# Altium PCB radioboard.PcbDoc (part 4 of 9)
Units mm, origin at the board's own origin, x right, y up, seen from the top; angles counter-clockwise.
Board outline 69.97 x 64.48 mm, 4 copper layers (Top Layer, Signal Layer 1, Signal Layer 2, Bottom Layer), stack 1.56 mm thick; 258 components, 165 nets, 993 pads, 10021 vias.
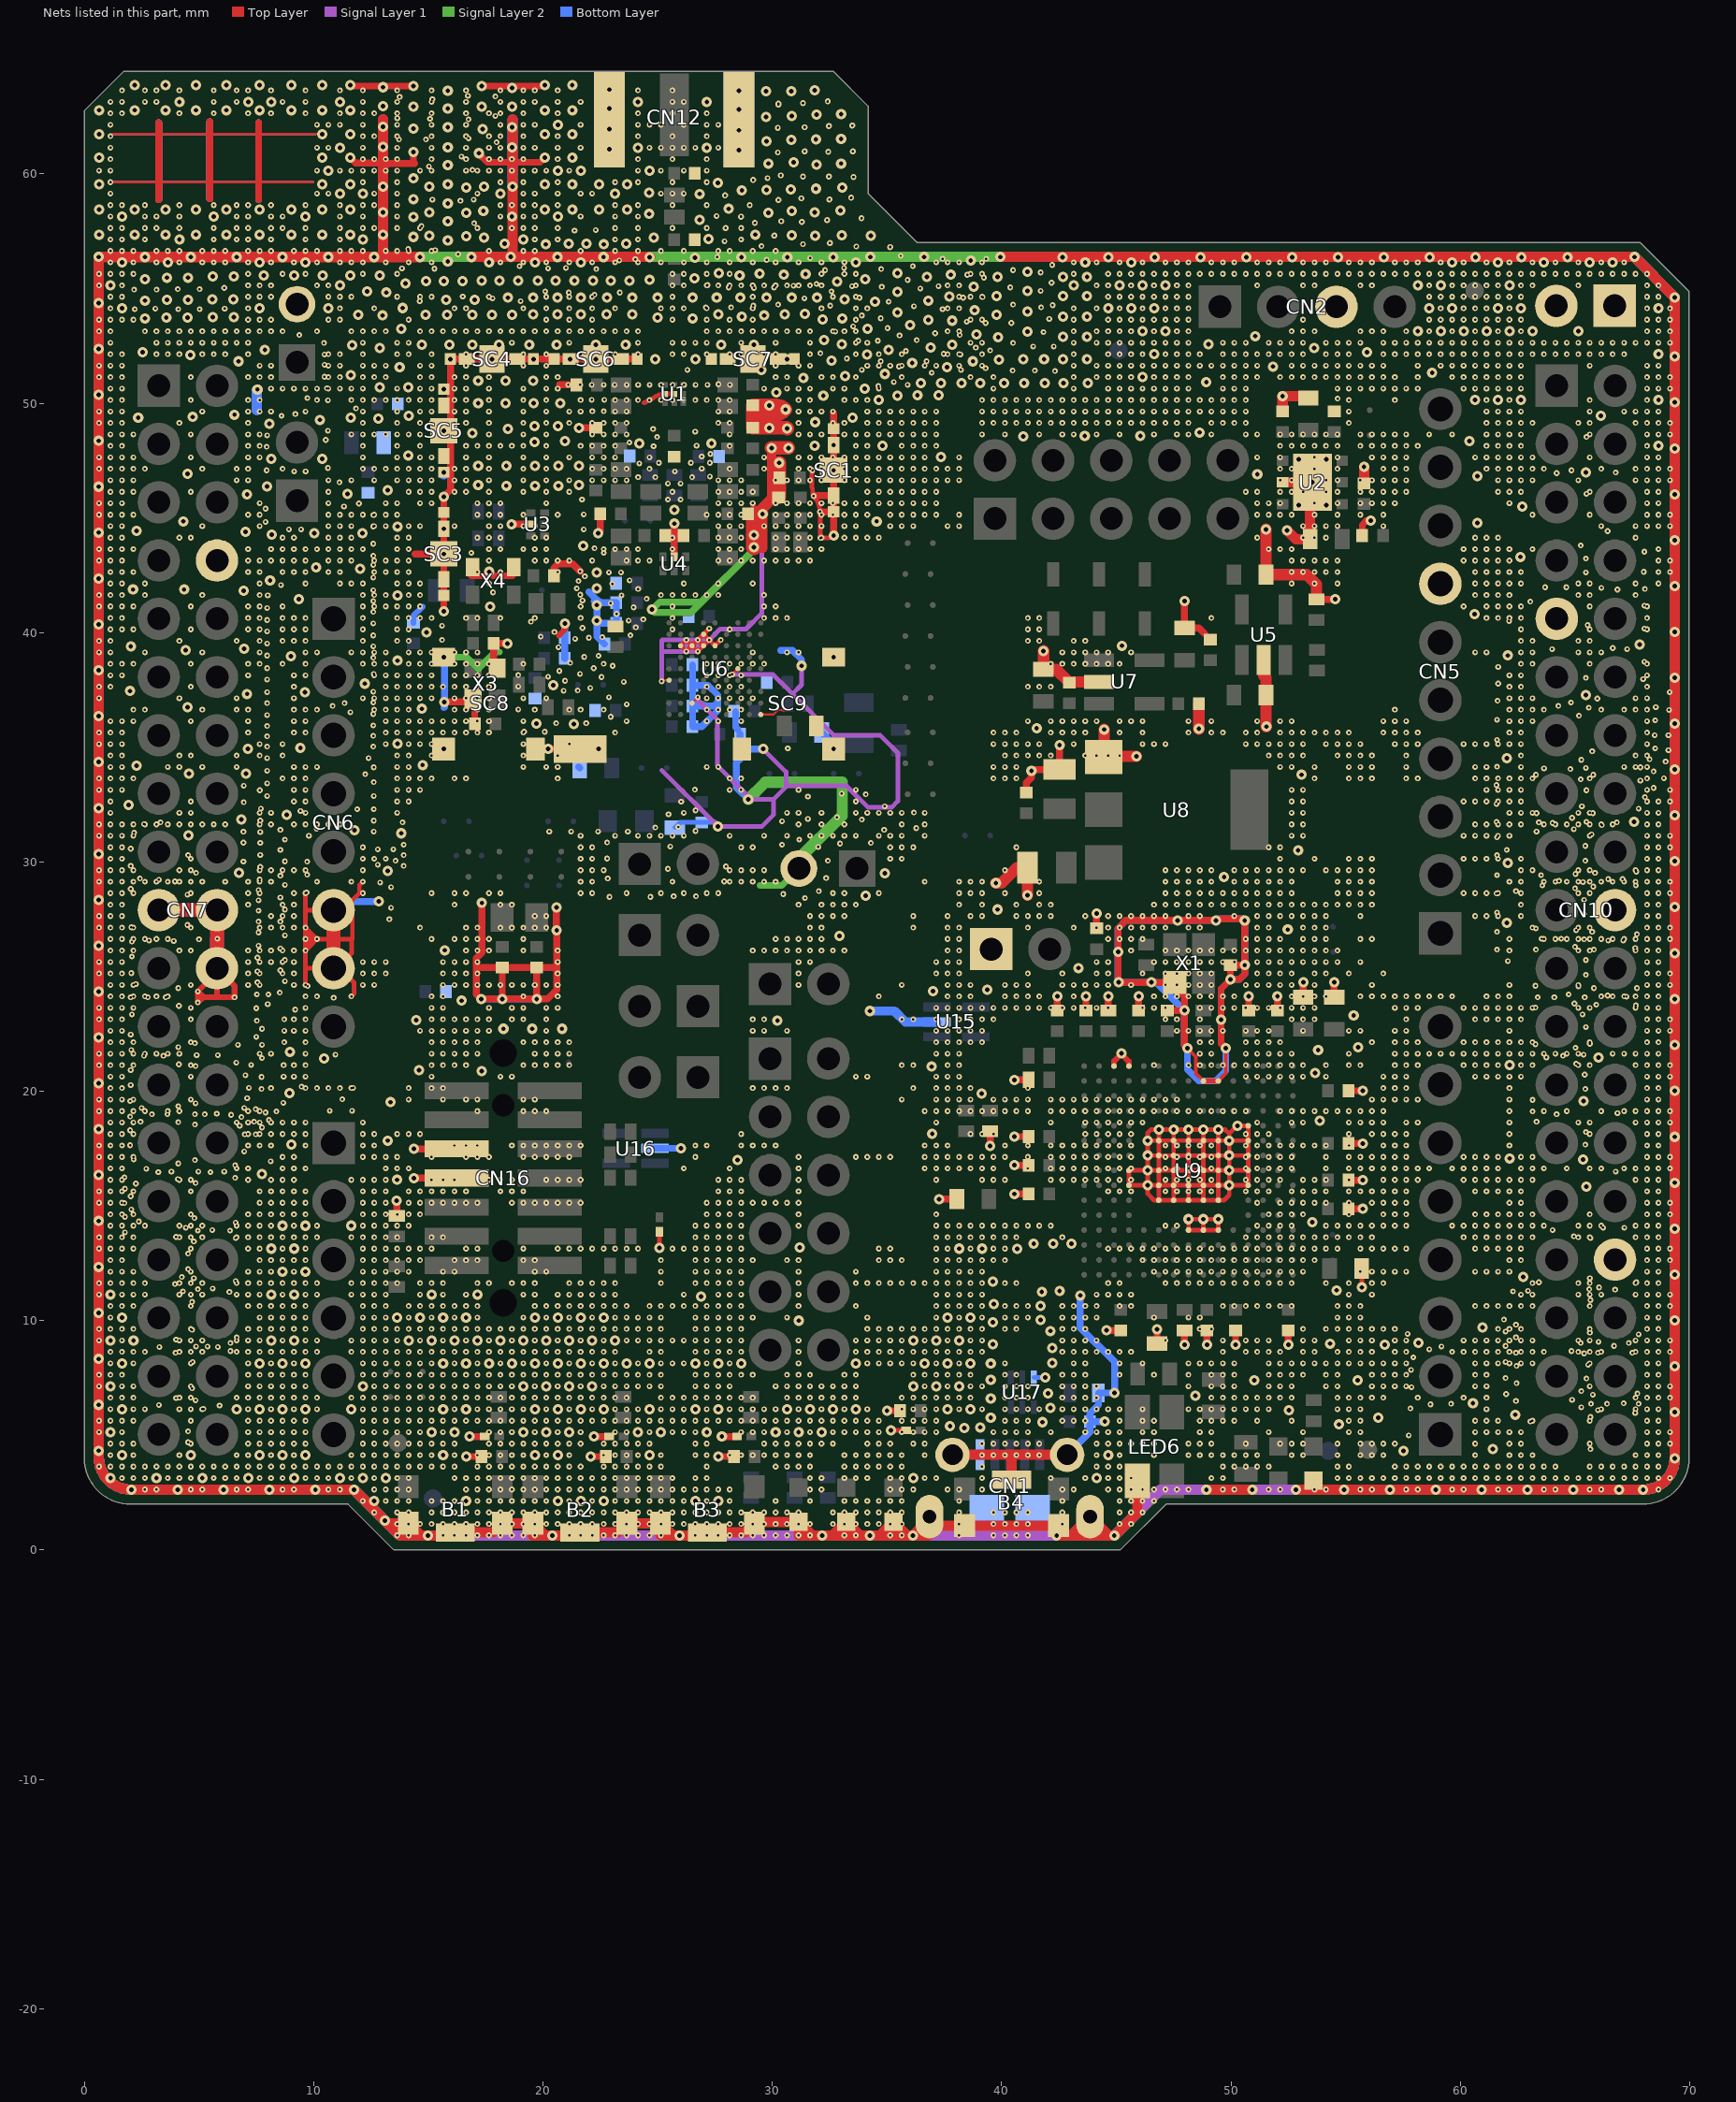
[diagram p6: the nets of this part, all layers, seen from the top]

## Via types
v1: diameter 0.25, hole 0.1, Signal Layer 2 to Bottom Layer, tented bottom, 4578 vias
v2: diameter 0.25, hole 0.1, Top Layer to Signal Layer 1, tented top, 4140 vias
v3: diameter 0.45, hole 0.2, Top Layer to Bottom Layer, tented both sides, 1295 vias
v4: diameter 0.25, hole 0.1, Top Layer to Signal Layer 1, tented both sides, 8 vias

## Nets (pads, with @x,y where several pads share a name; then routed paths per layer and width w, separated by ;. In a path a pad name is that pad's centre, name@x,y a point inside that pad or via, vN(x,y) a via of type N, cw(c..) or ccw(c..) an arc to the next point about the centre after c; other vN are vias at no path point) (continued)
GND: (continued)
  other v1: 13.643,0.638 14.143,0.638 15.643,0.638 16.143,0.638 16.643,0.638 17.143,0.638 17.643,0.638 18.143,0.638 18.643,0.638 19.143,0.638 19.643,0.638 21.143,0.638 21.643,0.638 22.143,0.638 22.643,0.638 23.143,0.638 23.643,0.638 24.143,0.638 24.643,0.638 25.143,0.638 26.643,0.638 27.143,0.638 27.643,0.638 28.143,0.638 28.643,0.638 29.143,0.638 29.643,0.638 30.143,0.638 30.643,0.638 31.143,0.638 31.643,0.638 33.143,0.638 33.643,0.638 35.143,0.638 35.643,0.638 38.143,0.638 13.643,1.138 14.143,1.138 14.643,1.138 15.143,1.138 15.643,1.138 16.143,1.138 16.643,1.138 17.143,1.138 17.643,1.138 18.143,1.138 18.643,1.138 19.143,1.138 19.643,1.138 20.143,1.138 20.643,1.138 21.143,1.138 21.643,1.138 22.143,1.138 22.643,1.138 23.143,1.138 23.643,1.138 24.143,1.138 24.643,1.138 25.143,1.138 25.643,1.138 26.143,1.138 26.643,1.138 27.143,1.138 27.643,1.138 28.143,1.138 28.643,1.138 29.143,1.138 29.643,1.138 30.143,1.138 30.643,1.138 31.143,1.138 31.643,1.138 32.643,1.138 33.143,1.138 33.643,1.138 34.143,1.138 34.643,1.138 35.143,1.138 35.643,1.138 38.143,1.138 42.643,1.138 45.143,1.138 45.643,1.138 12.643,1.638 13.643,1.638 14.143,1.638 16.143,1.638 16.643,1.638 17.143,1.638 17.643,1.638 18.143,1.638 18.643,1.638 19.143,1.638 19.643,1.638 20.143,1.638 20.643,1.638 21.143,1.638 21.643,1.638 22.143,1.638 22.643,1.638 23.143,1.638 23.643,1.638 24.143,1.638 24.643,1.638 25.143,1.638 25.643,1.638 26.143,1.638 26.643,1.638 27.143,1.638 27.643,1.638 28.143,1.638 28.643,1.638 29.143,1.638 29.643,1.638 30.143,1.638 30.643,1.638 31.143,1.638 32.643,1.638 33.143,1.638 33.643,1.638 34.143,1.638 34.643,1.638 35.143,1.638 35.643,1.638 38.143,1.638 42.643,1.638 45.143,1.638 45.643,1.638 46.143,1.638 12.143,2.138 13.143,2.138 13.643,2.138 14.143,2.138 17.143,2.138 17.643,2.138 18.143,2.138 18.643,2.138 19.143,2.138 19.643,2.138 20.143,2.138 21.143,2.138 22.143,2.138 23.143,2.138 23.643,2.138 24.143,2.138 24.643,2.138 25.143,2.138 25.643,2.138 26.143,2.138 27.143,2.138 28.143,2.138 30.143,2.138 31.643,2.138 33.143,2.138 33.643,2.138 34.143,2.138 34.643,2.138 35.143,2.138 35.643,2.138 38.143,2.138 42.643,2.138 45.143,2.138 45.643,2.138 46.143,2.138 46.643,2.138 2.643,2.638 3.143,2.638 4.643,2.638 5.143,2.638 6.643,2.638 7.143,2.638 8.643,2.638 9.143,2.638 10.643,2.638 11.143,2.638 12.643,2.638 13.143,2.638 13.643,2.638 14.143,2.638 16.643,2.638 17.143,2.638 17.643,2.638 18.143,2.638 18.643,2.638 19.143,2.638 19.643,2.638 20.143,2.638 20.643,2.638 21.143,2.638 21.643,2.638 22.143,2.638 22.643,2.638 23.143,2.638 23.643,2.638 24.143,2.638 24.643,2.638 25.143,2.638 25.643,2.638 26.143,2.638 26.643,2.638 27.143,2.638 27.643,2.638 28.143,2.638 31.643,2.638 35.143,2.638 35.643,2.638 36.143,2.638 37.643,2.638 38.143,2.638 42.643,2.638 43.143,2.638 44.643,2.638 45.143,2.638 45.643,2.638 46.143,2.638 46.643,2.638 47.143,2.638 47.643,2.638 48.143,2.638 49.643,2.638 50.143,2.638 51.643,2.638 52.143,2.638 53.643,2.638 54.143,2.638 55.643,2.638 56.143,2.638 57.643,2.638 58.143,2.638 59.643,2.638 60.143,2.638 61.643,2.638 62.143,2.638 63.643,2.638 64.143,2.638 65.643,2.638 66.143,2.638 68.643,2.638 1.643,3.138 2.143,3.138 2.643,3.138 3.643,3.138 4.143,3.138 4.643,3.138 5.643,3.138 6.143,3.138 6.643,3.138 7.643,3.138 8.143,3.138 8.643,3.138 9.643,3.138 10.143,3.138 10.643,3.138 11.643,3.138 12.643,3.138 13.643,3.138 14.143,3.138 16.143,3.138 16.643,3.138 17.143,3.138 17.643,3.138 18.143,3.138 18.643,3.138 19.143,3.138 19.643,3.138 20.143,3.138 20.643,3.138 21.143,3.138 21.643,3.138 22.143,3.138 22.643,3.138 23.143,3.138 23.643,3.138 24.143,3.138 24.643,3.138 25.143,3.138 25.643,3.138 26.643,3.138 27.143,3.138 31.643,3.138 33.143,3.138 33.643,3.138 34.143,3.138 35.143,3.138 35.643,3.138 36.643,3.138 37.143,3.138 39.143,3.138 42.143,3.138 43.643,3.138 44.643,3.138 45.143,3.138 45.643,3.138 49.143,3.138 68.143,3.138 68.643,3.138 69.143,3.138 0.643,3.638 1.143,3.638 1.643,3.638 2.143,3.638 2.643,3.638 3.143,3.638 3.643,3.638 4.143,3.638 4.643,3.638 5.143,3.638 5.643,3.638 6.143,3.638 6.643,3.638 7.143,3.638 7.643,3.638 8.143,3.638 8.643,3.638 9.143,3.638 9.643,3.638 10.143,3.638 10.643,3.638 11.143,3.638 11.643,3.638 12.143,3.638 12.643,3.638 13.143,3.638 13.643,3.638 14.143,3.638 14.643,3.638 15.143,3.638 15.643,3.638 16.143,3.638 17.143,3.638 17.643,3.638 18.143,3.638 18.643,3.638 19.143,3.638 19.643,3.638 20.143,3.638 20.643,3.638 21.143,3.638 21.643,3.638 22.643,3.638 23.143,3.638 23.643,3.638 24.143,3.638 24.643,3.638 25.143,3.638 31.643,3.638 33.143,3.638 33.643,3.638 34.143,3.638 34.643,3.638 35.143,3.638 35.643,3.638 44.143,3.638 44.643,3.638 45.143,3.638 50.143,3.638 50.643,3.638 51.143,3.638 51.643,3.638 68.643,3.638 1.143,4.138 2.143,4.138 4.143,4.138 6.643,4.138 7.143,4.138 8.143,4.138 9.143,4.138 11.643,4.138 12.143,4.138 12.643,4.138 13.143,4.138 13.643,4.138 14.143,4.138 14.643,4.138 15.143,4.138 16.143,4.138 17.143,4.138 17.643,4.138 18.143,4.138 18.643,4.138 19.143,4.138 20.143,4.138 21.143,4.138 22.643,4.138 23.143,4.138 23.643,4.138 24.143,4.138 25.143,4.138 28.143,4.138 28.643,4.138 29.143,4.138 29.643,4.138 30.143,4.138 30.643,4.138 31.143,4.138 31.643,4.138 33.143,4.138 33.643,4.138 34.143,4.138 34.643,4.138 35.143,4.138 36.643,4.138 44.143,4.138 45.143,4.138 46.643,4.138 49.643,4.138 50.143,4.138 50.643,4.138 51.143,4.138 52.643,4.138 53.143,4.138 55.643,4.138 56.143,4.138 56.643,4.138 60.643,4.138 62.143,4.138 62.643,4.138 63.143,4.138 67.643,4.138 1.143,4.638 1.643,4.638 2.143,4.638 4.643,4.638 7.143,4.638 7.643,4.638 8.143,4.638 8.643,4.638 9.143,4.638 9.643,4.638 12.143,4.638 12.643,4.638 13.143,4.638 13.643,4.638 14.143,4.638 14.643,4.638 15.143,4.638 15.643,4.638 16.143,4.638 17.643,4.638 18.143,4.638 18.643,4.638 19.143,4.638 19.643,4.638 20.143,4.638 20.643,4.638 21.143,4.638 21.643,4.638 22.643,4.638 23.143,4.638 23.643,4.638 24.143,4.638 24.643,4.638 36.143,4.638 36.643,4.638 44.143,4.638 44.643,4.638 45.143,4.638 46.143,4.638 46.643,4.638 50.643,4.638 52.143,4.638 52.643,4.638 53.143,4.638 55.643,4.638 56.143,4.638 56.643,4.638 57.143,4.638 60.643,4.638 62.143,4.638 62.643,4.638 65.643,4.638 68.143,4.638 0.643,5.138 1.643,5.138 12.143,5.138 12.643,5.138 13.143,5.138 13.643,5.138 14.143,5.138 14.643,5.138 15.643,5.138 17.643,5.138 18.143,5.138 18.643,5.138 19.643,5.138 20.643,5.138 21.643,5.138 23.143,5.138 23.643,5.138 24.643,5.138 25.643,5.138 26.143,5.138 26.643,5.138 28.643,5.138 29.143,5.138 29.643,5.138 30.643,5.138 31.643,5.138 32.643,5.138 33.143,5.138 33.643,5.138 34.143,5.138 34.643,5.138 35.643,5.138 36.143,5.138 36.643,5.138 37.143,5.138 44.643,5.138 45.143,5.138 46.143,5.138 46.643,5.138 49.143,5.138 51.643,5.138 53.143,5.138 55.143,5.138 55.643,5.138 68.143,5.138 0.643,5.638 1.143,5.638 1.643,5.638 2.143,5.638 4.643,5.638 7.143,5.638 7.643,5.638 8.143,5.638 8.643,5.638 9.143,5.638 9.643,5.638 12.143,5.638 12.643,5.638 13.143,5.638 13.643,5.638 14.143,5.638 14.643,5.638 15.143,5.638 15.643,5.638 16.143,5.638 16.643,5.638 17.143,5.638 17.643,5.638 18.143,5.638 18.643,5.638 19.143,5.638 19.643,5.638 20.143,5.638 20.643,5.638 21.143,5.638 21.643,5.638 22.143,5.638 22.643,5.638 23.143,5.638 23.643,5.638 24.143,5.638 24.643,5.638 25.143,5.638 25.643,5.638 26.143,5.638 26.643,5.638 27.143,5.638 27.643,5.638 28.143,5.638 28.643,5.638 29.143,5.638 29.643,5.638 30.143,5.638 30.643,5.638 31.143,5.638 31.643,5.638 32.143,5.638 32.643,5.638 33.143,5.638 33.643,5.638 34.143,5.638 34.643,5.638 35.643,5.638 36.143,5.638 36.643,5.638 37.143,5.638 45.143,5.638 46.143,5.638 46.643,5.638 48.643,5.638 49.143,5.638 49.643,5.638 50.143,5.638 51.143,5.638 60.643,5.638 61.143,5.638 61.643,5.638 63.143,5.638 65.643,5.638 68.143,5.638 1.143,6.138 2.143,6.138 2.643,6.138 4.143,6.138 4.643,6.138 5.143,6.138 7.143,6.138 8.143,6.138 9.143,6.138 10.143,6.138 12.143,6.138 12.643,6.138 13.143,6.138 13.643,6.138 14.143,6.138 14.643,6.138 15.143,6.138 16.143,6.138 17.143,6.138 17.643,6.138 18.143,6.138 18.643,6.138 19.143,6.138 20.143,6.138 21.143,6.138 22.143,6.138 23.143,6.138 23.643,6.138 24.143,6.138 25.143,6.138 25.643,6.138 26.143,6.138 27.143,6.138 28.143,6.138 28.643,6.138 29.143,6.138 29.643,6.138 30.143,6.138 31.143,6.138 32.143,6.138 33.143,6.138 34.143,6.138 35.643,6.138 36.143,6.138 36.643,6.138 37.143,6.138 38.143,6.138 39.143,6.138 45.143,6.138 46.143,6.138 48.143,6.138 48.643,6.138 49.143,6.138 49.643,6.138 50.143,6.138 50.643,6.138 51.143,6.138 51.643,6.138 61.143,6.138 66.143,6.138 67.643,6.138 68.143,6.138 1.143,6.638 1.643,6.638 2.143,6.638 4.143,6.638 4.643,6.638 6.643,6.638 7.143,6.638 7.643,6.638 8.143,6.638 8.643,6.638 9.143,6.638 9.643,6.638 10.143,6.638 11.643,6.638 12.143,6.638 12.643,6.638 13.143,6.638 13.643,6.638 14.143,6.638 14.643,6.638 15.143,6.638 15.643,6.638 16.143,6.638 16.643,6.638 17.143,6.638 17.643,6.638 18.143,6.638 18.643,6.638 19.143,6.638 19.643,6.638 20.143,6.638 20.643,6.638 21.143,6.638 21.643,6.638 22.143,6.638 22.643,6.638 23.143,6.638 23.643,6.638 25.143,6.638 25.643,6.638 26.143,6.638 26.643,6.638 27.143,6.638 27.643,6.638 28.143,6.638 28.643,6.638 29.143,6.638 35.643,6.638 36.143,6.638 36.643,6.638 37.143,6.638 37.643,6.638 38.143,6.638 38.643,6.638 67.643,6.638 68.143,6.638 0.643,7.138 1.643,7.138 2.143,7.138 4.643,7.138 7.143,7.138 7.643,7.138 8.143,7.138 8.643,7.138 9.143,7.138 9.643,7.138 12.643,7.138 13.143,7.138 13.643,7.138 14.143,7.138 14.643,7.138 15.143,7.138 15.643,7.138 16.143,7.138 16.643,7.138 17.143,7.138 17.643,7.138 18.143,7.138 18.643,7.138 19.643,7.138 20.643,7.138 21.643,7.138 22.643,7.138 23.143,7.138 23.643,7.138 24.143,7.138 36.643,7.138 37.643,7.138 38.643,7.138 39.143,7.138 48.143,7.138 49.143,7.138 49.643,7.138 50.143,7.138 51.643,7.138 52.143,7.138 52.643,7.138 54.143,7.138 54.643,7.138 56.143,7.138 56.643,7.138 57.143,7.138 57.643,7.138 65.643,7.138 68.143,7.138 0.643,7.638 1.143,7.638 1.643,7.638 12.143,7.638 12.643,7.638 13.143,7.638 13.643,7.638 14.143,7.638 14.643,7.638 15.143,7.638 15.643,7.638 16.143,7.638 16.643,7.638 17.143,7.638 17.643,7.638 18.143,7.638 18.643,7.638 19.143,7.638 19.643,7.638 20.143,7.638 20.643,7.638 21.143,7.638 21.643,7.638 22.143,7.638 22.643,7.638 23.143,7.638 23.643,7.638 24.143,7.638 24.643,7.638 36.143,7.638 36.643,7.638 37.143,7.638 37.643,7.638 38.143,7.638 38.643,7.638 42.643,7.638 46.643,7.638 48.143,7.638 49.143,7.638 49.643,7.638 50.143,7.638 51.643,7.638 52.143,7.638 54.143,7.638 54.643,7.638 56.143,7.638 56.643,7.638 57.143,7.638 57.643,7.638 68.143,7.638 1.143,8.138 2.143,8.138 4.643,8.138 7.143,8.138 8.143,8.138 9.143,8.138 12.143,8.138 12.643,8.138 13.143,8.138 13.643,8.138 14.143,8.138 14.643,8.138 15.143,8.138 16.143,8.138 17.143,8.138 18.143,8.138 19.143,8.138 20.143,8.138 21.143,8.138 22.143,8.138 23.143,8.138 24.143,8.138 25.143,8.138 25.643,8.138 26.143,8.138 27.143,8.138 28.143,8.138 34.143,8.138 34.643,8.138 35.143,8.138 35.643,8.138 36.143,8.138 37.143,8.138 38.143,8.138 43.143,8.138 45.143,8.138 46.143,8.138 53.643,8.138 54.143,8.138 54.643,8.138 55.143,8.138 55.643,8.138 56.143,8.138 56.643,8.138 57.143,8.138 57.643,8.138 60.643,8.138 61.143,8.138 61.643,8.138 62.143,8.138 62.643,8.138 63.143,8.138 65.643,8.138 68.143,8.138 1.143,8.638 1.643,8.638 2.143,8.638 2.643,8.638 4.143,8.638 4.643,8.638 5.143,8.638 6.643,8.638 7.143,8.638 7.643,8.638 8.143,8.638 8.643,8.638 9.143,8.638 9.643,8.638 10.143,8.638 11.643,8.638 12.143,8.638 12.643,8.638 13.143,8.638 13.643,8.638 14.143,8.638 14.643,8.638 15.143,8.638 15.643,8.638 16.143,8.638 16.643,8.638 17.143,8.638 17.643,8.638 18.143,8.638 18.643,8.638 19.143,8.638 19.643,8.638 20.143,8.638 20.643,8.638 21.143,8.638 21.643,8.638 22.143,8.638 22.643,8.638 23.143,8.638 33.643,8.638 34.143,8.638 34.643,8.638 35.143,8.638 35.643,8.638 36.143,8.638 36.643,8.638 37.143,8.638 37.643,8.638 38.143,8.638 38.643,8.638 39.143,8.638 42.643,8.638 43.143,8.638 43.643,8.638 44.143,8.638 49.643,8.638 50.643,8.638 51.143,8.638 51.643,8.638 52.143,8.638 53.143,8.638 53.643,8.638 54.643,8.638 55.143,8.638 55.643,8.638 56.143,8.638 57.143,8.638 57.643,8.638 59.643,8.638 60.143,8.638 60.643,8.638 61.143,8.638 61.643,8.638 62.143,8.638 62.643,8.638 63.143,8.638 63.643,8.638 65.143,8.638 65.643,8.638 66.143,8.638 67.643,8.638 68.143,8.638 0.643,9.138 1.643,9.138 4.143,9.138 4.643,9.138 5.143,9.138 6.643,9.138 7.143,9.138 7.643,9.138 8.643,9.138 9.643,9.138 10.143,9.138 11.643,9.138 12.143,9.138 12.643,9.138 13.143,9.138 13.643,9.138 14.643,9.138 15.643,9.138 16.643,9.138 17.643,9.138 18.643,9.138 19.643,9.138 20.643,9.138 21.643,9.138 22.643,9.138 23.643,9.138 24.143,9.138 24.643,9.138 25.143,9.138 25.643,9.138 26.143,9.138 26.643,9.138 27.143,9.138 27.643,9.138 28.143,9.138 28.643,9.138 33.643,9.138 34.143,9.138 34.643,9.138 35.143,9.138 35.643,9.138 36.643,9.138 37.643,9.138 38.643,9.138 39.143,9.138 42.643,9.138 43.143,9.138 43.643,9.138 47.143,9.138 49.643,9.138 50.643,9.138 51.143,9.138 51.643,9.138 53.143,9.138 53.643,9.138 55.143,9.138 55.643,9.138 56.143,9.138 57.143,9.138 57.643,9.138 60.143,9.138 60.643,9.138 61.143,9.138 61.643,9.138 62.143,9.138 62.643,9.138 63.143,9.138 65.143,9.138 65.643,9.138 67.643,9.138 68.143,9.138 0.643,9.638 1.143,9.638 1.643,9.638 2.143,9.638 4.643,9.638 7.143,9.638 7.643,9.638 8.143,9.638 8.643,9.638 9.143,9.638 9.643,9.638 12.143,9.638 12.643,9.638 13.143,9.638 13.643,9.638 14.143,9.638 14.643,9.638 15.143,9.638 15.643,9.638 16.143,9.638 16.643,9.638 17.143,9.638 17.643,9.638 18.143,9.638 18.643,9.638 19.143,9.638 19.643,9.638 20.143,9.638 20.643,9.638 21.143,9.638 21.643,9.638 22.143,9.638 22.643,9.638 23.143,9.638 23.643,9.638 24.143,9.638 24.643,9.638 34.143,9.638 34.643,9.638 35.143,9.638 35.643,9.638 36.143,9.638 36.643,9.638 37.143,9.638 37.643,9.638 38.143,9.638 38.643,9.638 39.143,9.638 40.143,9.638 40.643,9.638 42.643,9.638 43.143,9.638 48.643,9.638 49.143,9.638 53.143,9.638 54.143,9.638 54.643,9.638 55.143,9.638 55.643,9.638 56.143,9.638 56.643,9.638 57.143,9.638 61.643,9.638 62.143,9.638 62.643,9.638 65.643,9.638 68.143,9.638 1.143,10.138 12.143,10.138 12.643,10.138 13.143,10.138 14.143,10.138 15.143,10.138 16.143,10.138 17.143,10.138 19.143,10.138 20.143,10.138 21.143,10.138 22.143,10.138 23.143,10.138 23.643,10.138 24.143,10.138 34.143,10.138 37.143,10.138 38.143,10.138 39.143,10.138 40.143,10.138 40.643,10.138 41.143,10.138 42.643,10.138 43.143,10.138 46.643,10.138 48.143,10.138 48.643,10.138 68.143,10.138 1.143,10.638 1.643,10.638 2.143,10.638 4.643,10.638 7.143,10.638 7.643,10.638 8.143,10.638 8.643,10.638 9.143,10.638 9.643,10.638 12.143,10.638 12.643,10.638 13.143,10.638 14.143,10.638 14.643,10.638 15.143,10.638 15.643,10.638 16.143,10.638 16.643,10.638 17.143,10.638 19.643,10.638 20.143,10.638 20.643,10.638 21.143,10.638 21.643,10.638 22.143,10.638 22.643,10.638 23.143,10.638 23.643,10.638 25.143,10.638 25.643,10.638 26.143,10.638 26.643,10.638 27.143,10.638 27.643,10.638 28.143,10.638 28.643,10.638 33.643,10.638 37.143,10.638 37.643,10.638 38.143,10.638 38.643,10.638 39.143,10.638 40.143,10.638 40.643,10.638 41.143,10.638 42.643,10.638 43.143,10.638 45.143,10.638 45.643,10.638 49.643,10.638 50.143,10.638 50.643,10.638 51.143,10.638 51.643,10.638 52.143,10.638 52.643,10.638 60.643,10.638 61.143,10.638 61.643,10.638 62.143,10.638 62.643,10.638 63.143,10.638 65.643,10.638 68.143,10.638 0.643,11.138 1.643,11.138 2.143,11.138 2.643,11.138 4.143,11.138 4.643,11.138 5.143,11.138 6.643,11.138 7.143,11.138 7.643,11.138 8.643,11.138 9.643,11.138 10.143,11.138 11.643,11.138 12.143,11.138 12.643,11.138 13.143,11.138 14.643,11.138 15.643,11.138 16.643,11.138 19.143,11.138 26.143,11.138 27.643,11.138 44.643,11.138 45.143,11.138 45.643,11.138 62.643,11.138 63.143,11.138 65.143,11.138 65.643,11.138 66.143,11.138 67.643,11.138 68.143,11.138 0.643,11.638 1.143,11.638 1.643,11.638 2.143,11.638 2.643,11.638 4.143,11.638 4.643,11.638 5.143,11.638 6.643,11.638 7.143,11.638 7.643,11.638 8.143,11.638 8.643,11.638 9.143,11.638 9.643,11.638 10.143,11.638 11.643,11.638 12.143,11.638 12.643,11.638 13.143,11.638 13.643,11.638 15.143,11.638 15.643,11.638 25.143,11.638 28.643,11.638 33.643,11.638 34.143,11.638 34.643,11.638 35.143,11.638 35.643,11.638 36.143,11.638 36.643,11.638 37.143,11.638 37.643,11.638 38.143,11.638 38.643,11.638 39.143,11.638 40.143,11.638 40.643,11.638 44.643,11.638 45.143,11.638 47.143,11.638 47.643,11.638 48.143,11.638 48.643,11.638 49.143,11.638 49.643,11.638 50.143,11.638 50.643,11.638 51.143,11.638 51.643,11.638 52.143,11.638 52.643,11.638 54.143,11.638 55.143,11.638 56.143,11.638 56.643,11.638 63.143,11.638 65.143,11.638 65.643,11.638 67.643,11.638 68.143,11.638 1.143,12.138 1.643,12.138 2.143,12.138 4.643,12.138 7.143,12.138 7.643,12.138 8.143,12.138 9.143,12.138 12.143,12.138 12.643,12.138 13.143,12.138 13.643,12.138 14.143,12.138 15.643,12.138 16.143,12.138 19.643,12.138 20.143,12.138 33.643,12.138 46.643,12.138 47.143,12.138 47.643,12.138 48.143,12.138 48.643,12.138 49.143,12.138 49.643,12.138 50.143,12.138 50.643,12.138 51.143,12.138 51.643,12.138 52.143,12.138 52.643,12.138 53.143,12.138 55.643,12.138 56.143,12.138 56.643,12.138 57.143,12.138 57.643,12.138 60.643,12.138 61.143,12.138 61.643,12.138 62.143,12.138 68.143,12.138 1.143,12.638 1.643,12.638 12.143,12.638 12.643,12.638 13.143,12.638 13.643,12.638 14.143,12.638 14.643,12.638 16.143,12.638 16.643,12.638 17.143,12.638 19.143,12.638 19.643,12.638 34.643,12.638 35.143,12.638 35.643,12.638 46.143,12.638 46.643,12.638 47.143,12.638 47.643,12.638 48.143,12.638 48.643,12.638 49.143,12.638 49.643,12.638 50.143,12.638 50.643,12.638 51.143,12.638 51.643,12.638 52.143,12.638 52.643,12.638 53.143,12.638 53.643,12.638 68.143,12.638 0.643,13.138 1.143,13.138 1.643,13.138 2.143,13.138 4.643,13.138 7.143,13.138 7.643,13.138 8.643,13.138 9.643,13.138 12.143,13.138 12.643,13.138 13.143,13.138 13.643,13.138 14.143,13.138 14.643,13.138 15.143,13.138 16.643,13.138 17.143,13.138 19.143,13.138 20.643,13.138 21.143,13.138 21.643,13.138 22.143,13.138 22.643,13.138 23.143,13.138 23.643,13.138 24.143,13.138 25.643,13.138 26.143,13.138 26.643,13.138 27.143,13.138 27.643,13.138 28.143,13.138 28.643,13.138 34.643,13.138 35.143,13.138 37.143,13.138 37.643,13.138 38.643,13.138 39.643,13.138 40.143,13.138 44.643,13.138 45.143,13.138 45.643,13.138 46.143,13.138 46.643,13.138 47.143,13.138 47.643,13.138 48.143,13.138 48.643,13.138 49.143,13.138 49.643,13.138 50.143,13.138 50.643,13.138 51.143,13.138 51.643,13.138 52.143,13.138 52.643,13.138 53.143,13.138 53.643,13.138 55.643,13.138 56.143,13.138 56.643,13.138 57.143,13.138 57.643,13.138 60.643,13.138 61.143,13.138 61.643,13.138 62.143,13.138 62.643,13.138 68.143,13.138 0.643,13.638 1.143,13.638 1.643,13.638 2.143,13.638 4.143,13.638 4.643,13.638 5.143,13.638 6.643,13.638 7.143,13.638 7.643,13.638 8.143,13.638 8.643,13.638 9.143,13.638 9.643,13.638 10.143,13.638 11.643,13.638 12.143,13.638 12.643,13.638 13.143,13.638 13.643,13.638 15.143,13.638 15.643,13.638 50.643,13.638 51.143,13.638 51.643,13.638 52.143,13.638 52.643,13.638 53.143,13.638 53.643,13.638 60.143,13.638 60.643,13.638 61.143,13.638 61.643,13.638 62.143,13.638 62.643,13.638 63.143,13.638 65.143,13.638 65.643,13.638 67.643,13.638 68.143,13.638 1.143,14.138 1.643,14.138 2.143,14.138 2.643,14.138 4.143,14.138 4.643,14.138 5.143,14.138 6.643,14.138 7.143,14.138 7.643,14.138 8.143,14.138 9.143,14.138 10.143,14.138 12.143,14.138 12.643,14.138 13.143,14.138 13.643,14.138 14.143,14.138 31.143,14.138 47.143,14.138 47.643,14.138 51.143,14.138 51.643,14.138 52.143,14.138 52.643,14.138 55.643,14.138 56.143,14.138 56.643,14.138 57.143,14.138 57.643,14.138 59.643,14.138 60.143,14.138 60.643,14.138 61.143,14.138 61.643,14.138 62.143,14.138 62.643,14.138 63.143,14.138 63.643,14.138 65.143,14.138 65.643,14.138 66.143,14.138 67.643,14.138 68.143,14.138 1.143,14.638 1.643,14.638 2.143,14.638 4.643,14.638 7.143,14.638 7.643,14.638 8.143,14.638 8.643,14.638 9.143,14.638 9.643,14.638 12.143,14.638 12.643,14.638 13.143,14.638 13.643,14.638 14.143,14.638 14.643,14.638 31.143,14.638 51.643,14.638 52.143,14.638 52.643,14.638 53.143,14.638 